# Allegro board FEE5_10_30.brd (continued)
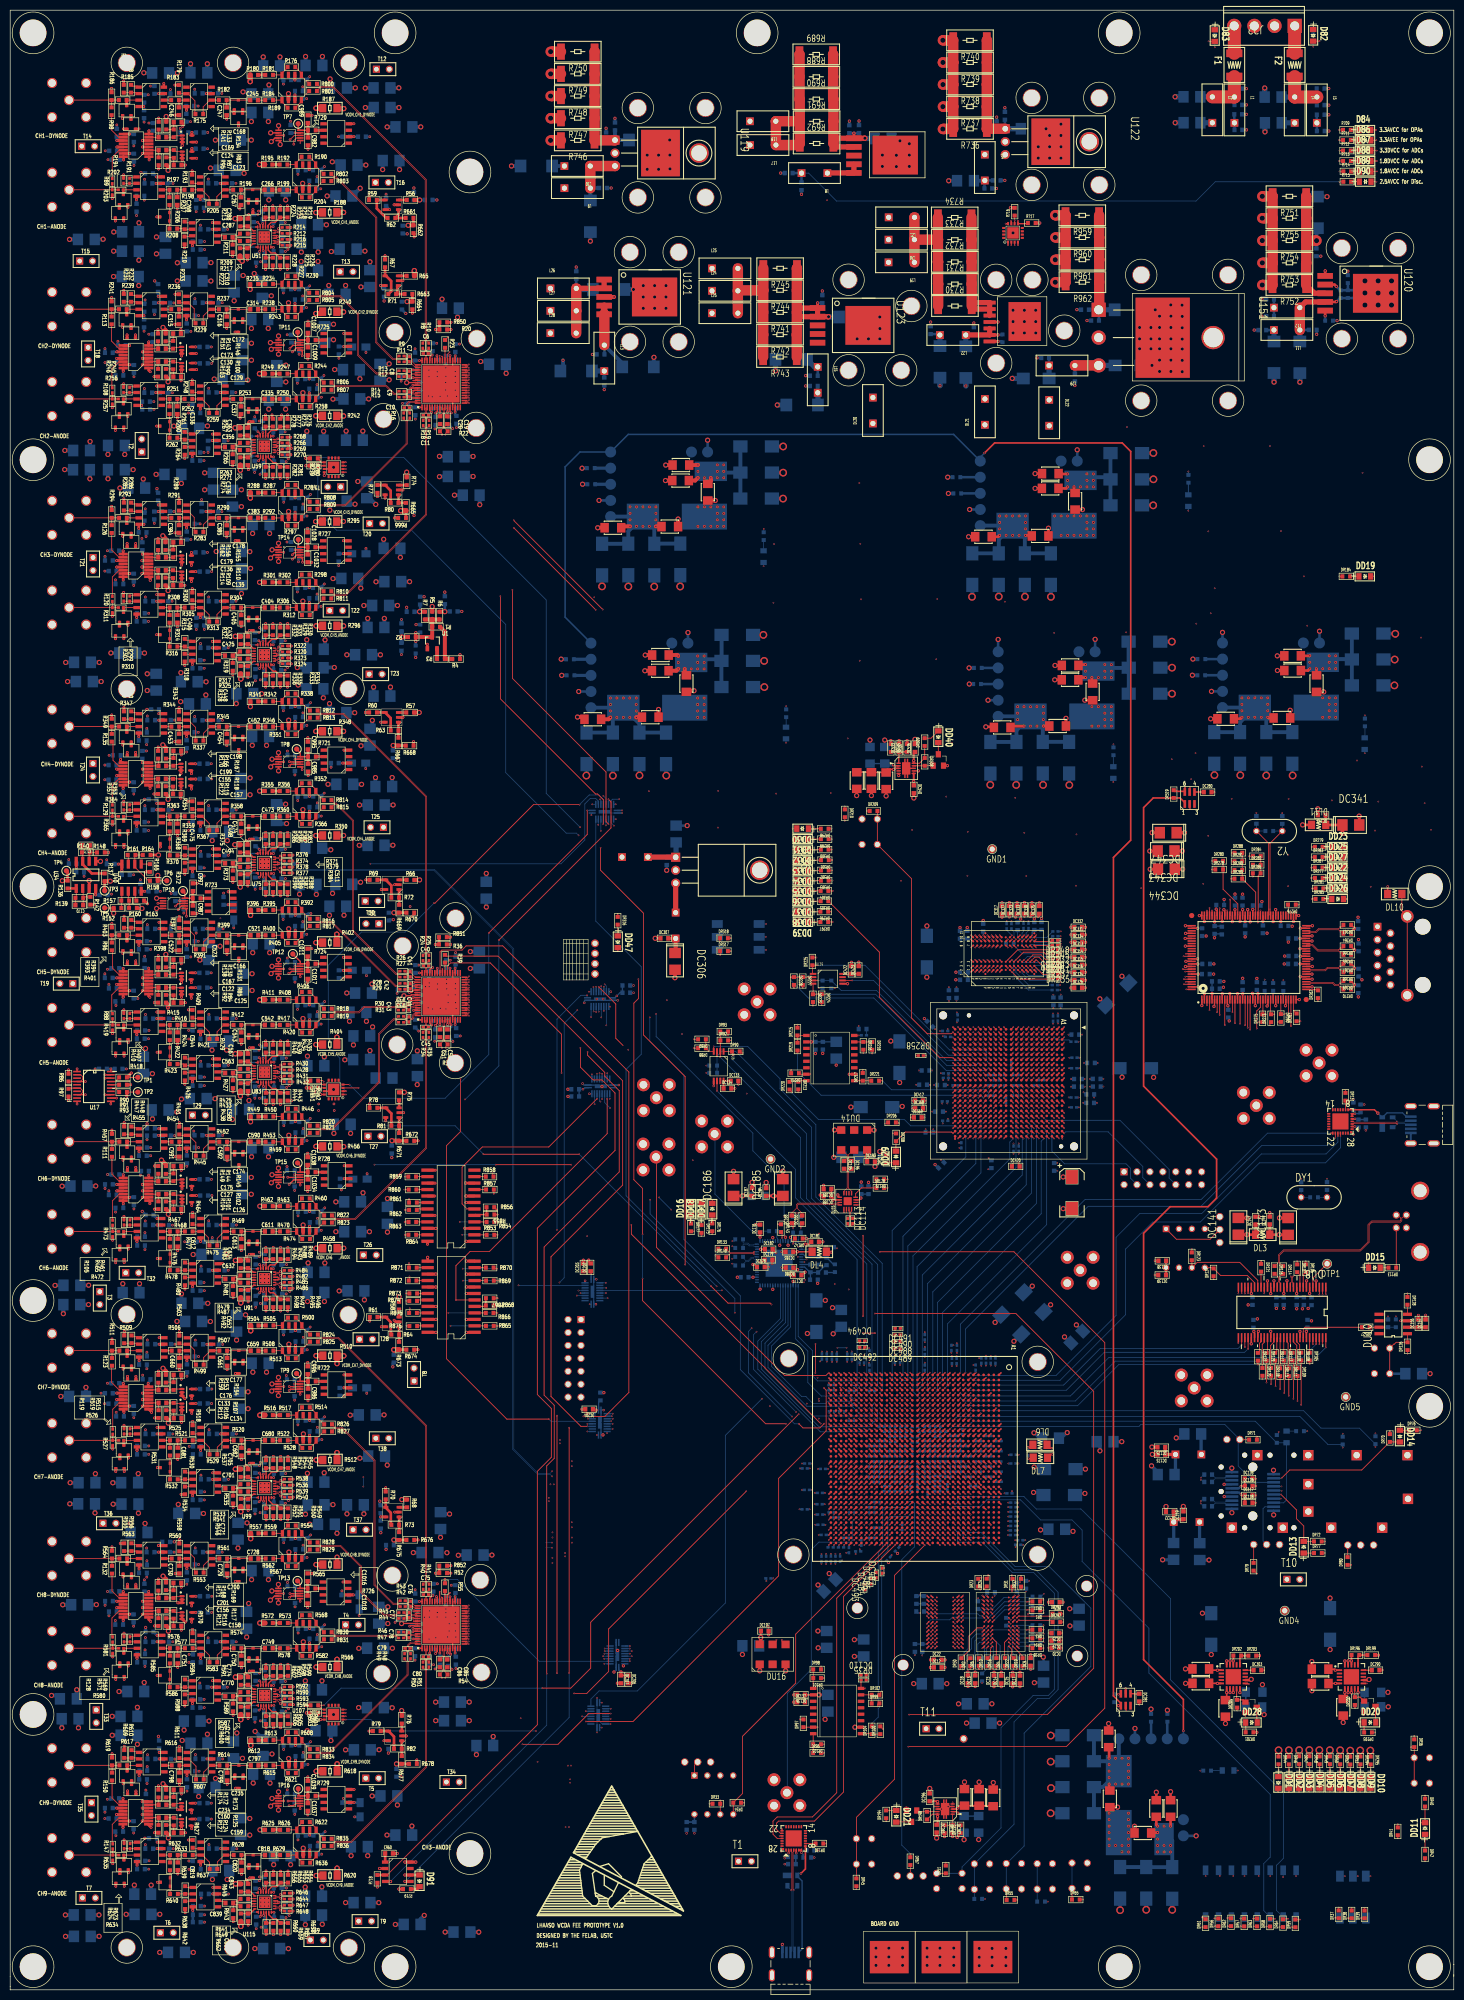
[diagram p0: board, top side]
## Routing (per net, layer and track width the routed paths; a pad name or vN(x,y) marks a point on that pad's centre or on a via; arc(x,y) is an arc through that point) (continued)
  TOP w0.508: R349.2 v3(19.95,250.35) ; R231.1 v3(22.32,333.73) ; R332.1 v3(50.18,268.28) ; v3(33.56,315.94) 33.56,316.06 33.56,316.06 C129.2 ; R241.2 v3(19.92,332.3) ; DC272.2 193.13,248 v5(191.66,248) ; D44.1 v3(20.71,183.33) ; D26.2 22.34,265.46 v3(22.34,265.29) ; C246.2 33.14,368.13 v3(32.32,368.13) ; v3(79.36,344.2) 79.36,344.82 R662.2 ; U150.4 193.95,327.5 193.95,327.5 v8(194.03,327.5) ; R593.1 55.59,57.15 55.59,57.15 v3(55.61,57.15) ; v8(25.9,280.64) 26.01,280.64 26.02,280.65 U28.6 ; R383.1 v3(54.51,227.3) ; v3(23.04,79.66) 23.04,79.46 23.04,79.45 D66.1 ; C1028.1 v3(58.42,287.01) ; C1034.1 v3(58.45,156.77) ; C126.2 33.62,152.62 33.62,152.62 v3(33.62,152.46) ; C159.2 v3(34.44,30.84) ; v3(29.15,357.54) 29.15,358.29 R95.1 ; v3(79.88,45.15) 79.88,44.87 79.88,44.87 R678.2 ; DC187.2 v5(145.74,158.55) ; R194.1 v3(22.27,356.4) ; R419.2 v3(20.1,187.76) ; R489.1 v3(54.55,145.78) ; v5(223.94,220.04) 223.95,220.05 DC344.2 ; R70.1 73.77,98.35 73.77,98.35 v3(73.77,98.61) ; v3(58.46,197.74) 58.46,197.81 58.45,197.81 C1017.2 ; R378.2 v3(55.54,219.3) ; R647.1 55.54,16.62 55.54,16.63 v3(55.57,16.63) ; C1018.2 58.42,75.17 58.44,75.15 v3(58.44,75.09) ; D3.2 v3(25.3,365.41) ; v3(24.65,284.01) 24.65,283.39 D21.2 ; D75.1 23.05,39.06 v3(23.06,39.06) ; v3(16.54,213.08) 16.48,213.08 16.48,213.08 R142.1 ; C843.1 46.57,20.98 46.57,21.47 v3(46.38,21.67) ; DU35.12 243.64,60.82 v5(243.8,60.97) ; R186.2 19.91,373.35 19.91,373.35 v3(19.91,373.37) ; R480.2 v3(34.33,137.59) ; R386.1 50.19,226.54 50.19,227.14 v3(50.19,227.3) ; U26.2 26.19,114.63 26.18,114.63 v3(25.96,114.63) ; v8(89.57,155.87) 89.7,155.87 89.7,155.87 U148.8 ; v3(58.51,361.41) 58.51,362.19 C982.1 ; U22.2 v3(25.95,319.09) ; C267.2 45.12,350.26 45.12,349.84 v3(45.12,349.69) ; R503.1 v3(33.24,129.22) ; v3(79.01,329.22) 79.01,329.36 79.01,329.36 R664.2 ; DC261.2 v5(188.27,285.33) ; v3(34.32,116.09) 34.31,116.09 33.73,116.67 ; R654.1 v3(54.57,23.33) ; v3(33.66,111.43) 33.66,111.53 33.65,111.53 C134.2 ; R257.2 v3(20.05,310.65) ; R318.2 34.28,260.14 34.28,260.13 v3(34.28,260.06) ; R388.1 v3(54.48,214.81) ; R215.1 v3(55.14,343.74) ; C454.2 v3(42.56,244.3) ; v5(242.95,151.57) 242.94,151.57 DC141.2 ; v3(42.54,326.26) 42.54,326.38 C316.2 ; R193.1 v3(35.75,357.18) ; D16.1 v3(20.66,306.2) ; C652.1 v3(46.73,135.08) ; C453.2 v3(32.33,245.11) ; C681.2 32.91,104.27 32.91,104.27 v3(32.91,104.14) ; R148.1 19.17,223.33 19.18,223.33 v3(19.34,223.33) ; R609.1 v3(22.41,47.83) ; v3(80.13,88.34) 80.04,88.34 80.04,88.34 R676.2 ; C157.2 33.51,234.04 33.52,234.04 v3(33.52,234.01) ; v3(32.91,63.32) 32.91,63.41 32.91,63.41 C751.2 ; D80.1 v3(20.76,20.33) ; v3(22.28,274.39) 22.28,273.71 R303.1 ; R571.1 v3(22.36,70.05) ; v3(32.36,374.02) 32.48,374.02 32.48,374.03 R179.1 ; C799.2 v3(42.63,40.33) ; R339.1 v3(22.35,251.8) ; v3(50.23,173.85) 50.23,173.91 50.23,173.91 R444.1 ; v3(55.22,261.52) 55.03,261.52 54.53,261.52 R323.1 ; DC537.2 172.08,234.43 v5(172.07,234.43) ; D53.3 v3(47.01,144.44) ; R177.1 22.31,374.83 v3(22.31,374.83) ; v3(54.52,186.33) 54.52,186.23 54.53,186.23 R435.1 ; C1009.2 58.48,320.43 58.48,320.42 v3(58.48,320.22) ; v3(50.16,309.25) 50.16,309.09 50.16,309.08 R278.1 ; U6.2 77.11,249.87 77.12,249.87 v3(77.16,249.87) ; R670.2 79.37,211.19 v3(78.9,210.72) ; R171.1 v3(29.1,80.68) ; R248.1 v3(35.76,316.12) ; C798.2 33.25,40.51 33.26,40.51 v3(33.26,40.35) ; v3(54.56,104.76) 54.56,104.6 54.56,104.59 R545.1 ; DC540.2 177.52,234.04 v5(177.52,234.03) ; U145.4 66.45,284.54 v3(65.44,284.54) ; v3(25.95,197.43) 26.04,197.43 26.05,197.43 U14.4 ; v3(42.62,121.76) 42.62,121.89 42.62,121.89 C661.2 ; R319.1 v3(43.73,258.27) ; DC210.2 248.95,259.06 v5(248.93,259.07) ; DC307.1 126.71,206.47 v5(126.71,206.48) ; v3(46.45,144.01) 46.45,143.49 46.71,143.23 C634.1 ; U42.2 U42.3 33.01,75.98 33,75.99 v3(32.92,75.99) ; v3(33.75,154.13) U19.3 U19.2 ; v3(28.31,161.77) 28.48,161.77 28.48,161.76 R149.1 ; R570.1 v3(35.83,70.8) ; R564.2 v3(20,86.98) ; U149.17 83.58,138 83.58,138 v8(83.64,138) ; DC302.2 230.88,63 v5(230.88,63.01) ; R852.2 v3(86.58,83.27) ; R494.1 v3(50.23,145.78) ; DC259.2 v5(201.33,297.73) ; v3(69.75,250.83) 69.82,250.83 69.83,250.83 R60.1 ; U148.20 83.45,152.06 v1(83.46,152.06) ; R465.1 v3(22.35,151.89) ; D73.1 22.2,40.58 22.2,40.58 v3(22.2,40.44) ; C405.2 45.36,268.43 v3(45.36,267.65) ; U39.2 33.73,117.32 33.73,116.67 ; D50.2 v3(23.18,145.44) ; v3(59.25,81.78) 59.16,81.78 59.16,81.78 C1016.1 ; U13.2 77.77,49.86 77.77,49.85 v3(77.81,49.85) ; v3(55.56,138.94) 55.46,138.94 55.46,138.93 R485.1 ; v3(46.68,216.75) 46.68,216.93 46.68,216.94 C511.1 ; U41.2 U41.3 33.55,238.84 v3(33.55,238.84) ; D39.2 v3(24.66,202.05) ; R330.1 54.5,268.04 54.5,268.05 v3(54.5,268.29) ; v3(22.13,285.4) 22.13,285.5 22.12,285.51 D19.1 ; v3(25.95,75.03) 26.09,75.03 26.1,75.04 U31.4 ; v3(59.3,368.09) 59.12,368.09 59.12,368.1 C989.2 ; R311.2 20.08,270.41 v3(20.08,269.71) ; R216.2 v3(55.14,342.57) ; v3(72.15,293.19) 72.15,293.32 72.15,293.32 R77.1 ; R211.1 43.7,341.17 v3(43.7,340.41) ; v3(33.65,31.66) U29.3 U29.2 ; U36.6 v3(25.92,35.69) ; R162.1 v3(29.05,285.02) ; R558.1 v3(33.23,88.4) ; v3(54.47,350.32) 54.47,350.14 R219.1 ; U20.2 U20.3 v3(33.68,317.69) ; C135.2 v3(34.32,275.8) ; DC289.2 v5(255.69,64.46) ; v3(25.96,158.15) 26.06,158.15 26.07,158.15 U23.6 ; R581.2 v3(20.13,65.36) ; U149.1 89.74,129.11 89.74,129.12 v8(89.61,129.12) ; v3(55.22,302.69) 54.56,302.69 R269.1 ; v3(44.87,365.96) 44.87,366.58 D4.3 ; v3(22.97,284.01) 22.97,284 22.97,283.38 D21.1 ; C363.1 46.8,306.91 46.8,307.74 v3(46.97,307.91) 47.17,307.91 47.17,307.91 D17.3 ; v3(67.56,39.34) 67.48,39.34 67.47,39.34 U147.4 ; R122.1 v3(28.22,234.82) ; D28.1 v3(22.13,244.42) ; v3(33.6,201.46) 33.6,201.58 33.6,201.59 C166.2 ; v5(165.94,51.56) 165.95,51.57 DU7.10 ; v8(89.57,154.6) 89.67,154.6 U148.7 ; v3(55.58,17.82) 55.46,17.82 55.46,17.83 R644.1 ; D62.2 v3(22.4,101.76) ; v3(77.16,294.52) 77.07,294.52 77.07,294.52 U11.2 ; v3(33.56,97.31) 33.61,97.31 33.62,97.3 R534.2 ; v3(33.66,197.79) 33.66,198.39 U33.3 U33.2 ; v3(32.9,145.16) 32.9,145.28 32.9,145.28 C612.2 ; v3(65.56,120.75) 65.74,120.75 65.74,120.75 U135.4 ; v8(83.64,134.19) 83.54,134.19 83.54,134.19 U149.20 ; v3(75.4,350.51) 75.51,350.51 75.51,350.51 U5.2 ; R336.1 v3(50.2,255.8) ; R527.2 v3(20.14,106.18) ; v3(70.63,131.32) 70.63,131.51 70.64,131.52 R61.1 ; U26.6 26.19,117.17 26.18,117.18 v3(25.96,117.18) ; R121.1 28.49,71.45 28.49,71.45 v3(28.33,71.45) ; DC342.2 v5(256.87,231.89) ; C475.2 v3(32.86,226.68) ; DC186.2 142.1,160.72 v5(142.1,160.72) ; D58.3 44.51,121.03 44.5,121.03 v3(44.25,121.03) ; v3(22.34,224.31) 22.34,224.4 22.34,224.4 D35.2 ; v3(21.61,87.67) 21.87,87.67 21.87,87.68 R555.1 ; U139.4 66.53,325.25 v3(65.53,325.25) ; R393.1 v3(22.37,210.83) ; R590.1 v3(55.59,58.32) ; v3(22.33,192.44) 22.33,192.24 22.33,192.24 R410.1 ; v1(83.45,155.87) 83.3,155.87 83.3,155.87 U148.17 ; D64.1 22.18,81.18 22.18,81.17 v3(22.18,81.05) ; D31.3 v3(44.89,242.94) ; DC283.2 v5(181.99,29.8) ; C432.1 46.69,266.25 v3(46.35,266.59) ; C158.2 v3(33.63,70.63) ; U35.2 U35.3 v3(33.75,157.26) ; v3(50.15,350.32) 50.15,350.19 50.15,349.56 R224.1 ; DC236.2 v5(225.14,38.8) ; C523.2 v3(42.58,203.33) ; R606.1 v3(50.26,51.45) ; v5(265,230.47) 265.02,230.45 DC341.2 ; v5(166.28,234.5) 166.3,234.53 DC539.2 ; v8(25.9,278.12) 25.99,278.12 25.99,278.11 U28.2 ; D72.3 v3(28.86,61.73) ; R539.1 v3(55.59,97.91) ; v3(54.56,63.94) 54.56,63.71 54.56,63.71 R599.1 ; v3(20.66,347.33) 20.66,347.96 D8.1 ; D54.3 v3(28.88,143.6) ; U18.6 26.2,363.13 26.19,363.12 v3(25.98,363.12) ; C730.2 v3(32.41,81.75) ; v3(45.44,22.69) 45.44,22.81 45.43,22.82 C820.2 ; v3(33.79,359.15) 33.79,359.21 33.79,359.21 U15.3 U15.2 ; R265.1 v3(43.71,299.26) ; D30.1 v3(22.99,243) ; DC246.2 211.11,253.24 v5(211.1,253.23) ; R365.2 v3(20.08,228.73) ; v3(29.11,121.5) 29.11,121.33 29.11,121.33 R159.1 ; DC284.2 v5(255.71,58.72) ; R432.2 v3(55.55,178.28) ; v3(23.19,104.41) 23.19,104.54 23.19,104.54 D59.2 ; v3(46.4,184.54) 46.69,184.25 C567.1 ; R496.1 v3(54.53,133.29) ; U132.4 66.52,366.42 v3(67.53,366.42) ; v3(23.12,349.97) 23.12,350.58 D5.2 ; C498.1 46.62,225.42 v3(46.36,225.68) ; C310.1 46.59,339.82 46.59,339.82 v3(46.59,339.68) ; U22.4 26.17,320.36 26.17,320.36 v3(25.95,320.36) ; R268.2 54.45,304.88 54.92,304.88 v3(55.13,304.88) ; U16.2 U16.3 v3(33.65,194.9) ; v3(70.48,50.81) 70.61,50.81 70.61,50.81 R79.1 ; v3(47.06,21.97) 47.07,21.98 47.42,21.98 D79.3 ; R646.2 v3(55.58,18.99) ; v3(32.82,35.35) U43.3 U43.2 ; U148.24 81.97,146.42 81.98,146.41 v1(81.98,146.39) ; DC143.2 249.37,151.55 v5(249.34,151.57) 249.35,151.57 ; v3(24.68,161.51) 24.68,161.51 D48.2 ; R538.2 v3(55.58,100.28) ; v3(25.95,198.71) 26.05,198.71 26.05,198.7 U14.6 ; U1.2 v3(81.95,264.24) ; R540.2 55.5,96.74 55.51,96.74 v3(55.59,96.74) ; v3(34.37,72.21) 34.37,72.21 33.77,72.82 U25.3 U25.2 ; R648.2 v3(55.56,15.46) ; R374.1 55.47,221.66 55.47,221.65 v3(55.53,221.65) ; D66.2 24.69,79.45 24.69,79.45 v3(24.69,79.66) ; R635.2 v3(20.15,24.75) ; R97.1 11.46,174.74 11.46,174.74 v3(11.46,174.65) ; D3.1 v3(22.25,365.41) ; D61.3 v3(47.03,103.41) ; R233.1 32.5,332.96 32.5,332.96 v3(32.37,332.96) ; D23.2 23.12,268.05 v3(23.12,267.93) ; U24.2 U24.3 33.69,277.16 v3(33.69,276.58) ; R165.1 26.84,219.52 26.84,219.52 v3(26.64,219.52) ; C997.2 v3(36.75,217.28) ; C960.2 75.86,26.78 75.86,26.77 v8(76.02,26.77) ; C384.2 v3(32.36,286.1) ; R138.1 v3(29.08,203.07) ; D41.2 v3(23.16,185.98) ; U36.2 26.08,33.15 26.08,33.15 v3(25.92,33.15) ; R280.1 v3(54.46,296.76) ; C125.2 34.32,193.84 34.33,193.83 v3(34.41,193.83) ; R92.1 v3(28.3,193.85) ; D71.2 v3(22.39,60.94) ; R431.1 v3(55.54,179.45) ; C336.2 32.83,308.77 32.83,308.76 v3(32.83,308.64) ; U149.7 89.73,136.73 v8(89.61,136.73) ; v3(22.4,129.26) 22.4,129.17 22.4,129.17 R501.1 ; D55.1 v3(22.19,121.87) ; v3(32.85,267.67) 32.85,267.82 32.85,267.82 C406.2 ; v3(80.12,125.69) 79.95,125.69 79.95,125.7 R674.2 ; R588.2 v3(34.31,55.72) ; R430.2 v3(55.55,181.8) ; C247.2 42.53,368.11 42.53,367.62 v3(42.53,367.32) ; v8(89.61,138.01) 89.69,138.01 89.7,138 U149.8 ; D77.2 v3(23.2,22.97) ; v3(42.62,80.94) 42.62,81.05 42.61,81.05 C729.2 ; v5(224.31,227.22) 224.32,227.21 DC347.2 ; v5(230.9,60.18) 230.9,60.18 DC298.2 ; R672.2 v3(80.13,166.71) ; v3(50.25,104.75) 50.25,104.58 50.25,104.58 R548.1 ; C819.2 v3(32.93,22.75) ; C200.2 33.6,79.23 33.6,79.23 v3(33.6,79.06) ; v3(47.68,349.61) 47.68,349.01 D7.3 ; D22.3 44.42,284.55 44.42,284.56 v3(44.18,284.56) ; v3(24.61,324.98) 24.61,324.82 D12.2 ; U148.13 83.5,160.95 v1(83.5,160.96) ; DC256.2 v5(210.63,290.67) ; v3(36.71,211.39) 36.54,211.39 36.54,211.38 C987.1 ; D80.2 v3(22.41,20.33) ; v3(55.55,180.62) 55.5,180.62 55.49,180.62 R428.1 ; C613.2 v3(45.41,145.15) ; DC213.2 v5(258.03,254.86) ; C721.1 v3(46.74,94.11) ; v3(25.92,34.42) 26.14,34.42 26.15,34.42 U36.4 ; R589.1 v3(43.79,53.92) ; v3(32.33,327.06) 32.39,327.06 32.39,327.07 C315.2 ; v3(25.98,360.59) 26.2,360.59 26.2,360.59 U18.2 ; D30.2 v3(24.64,243.01) ; v3(22.36,110.87) 22.36,110.62 22.36,110.62 R519.1 ; DC242.2 v5(217.53,35.87) ; U28.4 26.01,279.38 26,279.39 v8(25.9,279.39) ; R285.1 v3(22.34,292.79) ; R174.1 v3(29.12,40.06) ; v3(55.59,59.49) 55.47,59.49 55.47,59.48 R592.2 ; R228.1 50.17,337.85 50.17,337.85 v3(50.17,337.84) ; v3(70.5,352.24) 70.5,351.94 70.5,351.46 R59.1 ; D75.2 24.71,38.92 24.7,38.92 v3(24.7,39.05) ; C856.1 v3(46.75,12.7) ; C177.2 v3(33.63,119.92) ; D26.1 20.68,265.29 v3(20.68,265.29) ; v3(29.06,244.04) 29.06,243.93 29.06,243.92 R170.1 ; D18.3 v3(28.76,307.06) ; C1038.2 v3(58.44,164.29) ; R442.1 54.54,174.57 v3(55.29,174.57) ; v3(55.21,262.72) 55.19,262.7 54.99,262.7 R320.1 ; D63.3 v3(28.9,102.54) ; v3(50.27,92.27) 50.27,92.37 50.26,92.38 R552.1 ; DC295.2 193.11,40.68 v5(193.12,40.69) ; R300.1 35.77,275.07 35.78,275.07 v3(35.78,275.14) ; R594.2 55.57,55.99 55.57,55.99 v3(55.62,55.99) ; R212.1 v3(55.14,344.91) ; v5(223.87,223.61) DC343.2 ; 33.73,116.67 U39.3 ; U32.2 U32.3 33.79,362.82 v8(33.79,362.17) ; v3(58.46,123.22) 58.46,123.08 58.46,123.07 C996.2 ; v3(20.05,351.75) 20.04,351.75 R203.2 ; D48.1 23.03,161.31 23.03,161.32 v3(23.03,161.51) ; C174.2 v3(33.6,160.92) ; U21.2 U21.3 v3(33.7,113.23) ; U23.2 v3(25.96,155.61) ; D81.3 v3(28.92,21.13) ; v5(207.4,249.67) 207.39,249.66 DC273.2 ; C235.2 v3(33.64,38.45) ; R266.1 54.67,303.74 55.09,303.32 v3(55.1,303.32) ; D14.2 v3(23.11,308.91) ; R67.1 73.64,340.42 73.64,340.42 v3(73.64,340.54) ; C1007.1 58.51,326.9 58.51,327.59 v3(58.51,327.68) ; R276.1 v3(54.48,309.26) ; D45.3 v3(28.86,184.11) ; U30.2 v3(25.94,237.16) ; v3(75.41,131.49) 75.73,131.17 76.38,131.17 U7.2 ; R103.1 28.42,316.77 v3(28.25,316.77) ; R482.1 54.86,140.1 55.42,140.1 v3(55.56,140.1) ; R343.1 v3(33.18,251.77) ; v3(28.35,30.84) 28.48,30.84 28.48,30.84 R127.1 ; v3(19.99,168.83) 19.99,168.67 19.98,168.07 R457.2 ; U149.13 82.02,143.77 82.01,143.77 v8(82.01,143.83) ; C592.2 v3(42.6,162.78) ; D9.3 29.43,348.14 28.9,348.14 28.9,348.14 v3(28.8,348.14) ; R163.1 26.47,213.71 26.53,213.71 v3(27,213.24) ; D13.3 v3(44.16,325.52) ; v3(55.56,137.77) 55.39,137.77 R486.2 ; R426.2 34.31,177.95 34.32,177.94 v3(34.32,177.81) ; R447.1 22.39,170.08 22.38,170.08 v3(22.38,170.28) ; D40.3 44.91,202.07 44.91,202.06 v3(44.91,201.97) ; C787.1 v3(46.73,53.28) ; v3(75.51,217.01) 75.77,217.01 75.77,217.01 U9.2 ; R643.1 v3(43.82,13.4) ; R535.1 v3(43.8,94.74) ; R376.2 v3(55.55,222.82) ; R91.2 v3(23.68,177.72) ; U12.2 v3(77.28,172.24) ; C705.1 46.71,102.58 v3(46.3,102.98) ; D46.1 v3(22.17,162.9) ; v3(46.79,298.49) 46.79,299.27 C376.1 ; D27.3 v3(28.76,266.09) ; v3(42.81,215.6) 42.87,215.6 42.87,215.61 U134.4 ; R86.2 v3(11.46,180.65) ; R850.2 v3(86.61,327.44) ; v3(46.19,62.16) 46.72,61.63 C774.1 ; v8(83.64,129.11) 83.57,129.11 U149.24 ; v3(22.96,324.98) 22.96,324.87 22.96,324.87 D12.1 ; C985.1 v3(58.52,238.42) ; R294.2 19.95,290.58 19.95,291.09 v3(19.95,291.33) ; R484.2 v3(55.56,141.27) ; v3(54.54,92.26) 54.54,92.41 54.54,92.41 R550.1 ; C995.2 58.48,245.72 58.48,245.72 v3(58.48,245.89) ; R473.2 v3(20.12,147.21) ; R602.1 v3(50.24,63.93) ; U120.1 258.31,337.47 258.32,337.47 v8(258.32,337.55) ; R660.1 v3(50.27,10.84) ; C448.1 v3(46.69,257.64) ; D70.3 v3(46.99,62.59) ; U31.6 26.18,76.31 26.17,76.31 v3(25.95,76.31) ; R373.1 43.75,217.48 v3(43.74,217.47) ; R536.1 55.52,99.1 55.52,99.11 v3(55.58,99.11) ; R642.2 v3(34.37,15.12) ; R397.1 33.2,210.56 33.2,210.56 v3(33.2,210.79) ; R390.1 50.21,214.91 50.2,214.91 v3(50.2,214.82) ; v3(35.02,192.43) 35.19,192.43 35.19,192.43 R409.1 ; v3(25.95,73.76) 26.17,73.76 26.18,73.77 U31.2 ; DC243.2 215.78,52.27 v5(215.78,52.28) ; C385.2 v3(42.55,285.29) ; U140.4 v3(65.45,202.74) ; R656.1 v3(50.26,23.34) ; D52.2 22.38,142.88 22.39,142.88 v3(22.39,142.79) ; R627.1 v3(35.04,29.42) ; DC237.2 v5(227.95,38.91) ; R668.2 79.24,244.94 79.24,244.95 v3(79.24,245.1) ; D76.3 44.39,39.59 44.39,39.6 v3(44.26,39.6) ; D25.3 47.67,266.92 v3(46.99,266.92) ; D44.2 v3(22.36,183.33) ; v3(34.29,300.67) 34.29,300.81 34.29,300.82 R264.2 ; R464.1 v3(35.83,152.65) ; DC218.2 v5(251.44,251.26) ; D49.3 v3(44.93,161.42) ; R114.1 28.93,275.67 v2(28.93,275.06) ; C1011.1 v3(59.26,204.44) ; C337.2 45.17,309.23 45.17,308.79 v3(45.17,308.62) ; U27.2 U27.3 v3(33.56,235.84) ; DC297.2 v5(238.73,52.29) ; v5(203.96,287) 203.95,287 DC267.2 ; C986.1 v3(58.5,115.65) ; D36.3 29.49,224.44 29.49,224.44 v3(29.49,224.39) ; R498.1 v3(50.25,133.3) ; U14.2 v3(25.95,196.16) ; C543.2 45.39,185.7 v3(45.39,185.69) ; C172.2 v3(33.54,326.05) ; R666.2 v3(75.45,289.03) ; D34.3 v3(47.01,225.96) ; R357.1 v3(22.31,233.41) ; C1032.2 59.1,280.32 59.11,280.32 v3(59.25,280.32) ; R604.1 v3(55.32,52.2) ; R69.1 v3(69.85,217.96) ; v3(34.31,219.04) 34.31,219.8 R372.2 ; U37.2 U37.3 v3(33.68,320.82) ; R322.2 v3(55.22,263.88) ; D57.2 v3(24.7,120.48) ; R451.1 v3(33.22,170.26) ; C522.2 v3(32.38,204.14) ; D43.3 v3(47.02,184.99) ; D39.1 v3(23.01,202.05) ; C123.2 v3(34.45,358.32) ; v3(50.21,186.33) 50.21,186.21 50.21,186.21 R440.1 ; U141.4 v3(65.38,80.08) ; C268.2 v3(32.82,349.79) ; D62.1 20.75,101.95 20.75,101.94 v3(20.75,101.76) ; v3(54.44,337.83) 54.44,337.98 54.44,338.58 R226.1 ; R4.1 88.36,262.03 88.36,262.03 v8(88.36,262.16) ; DC294.2 190.34,40.79 v5(190.34,40.79) ; D32.2 v3(23.14,226.95) ; R270.2 55.11,301.4 55.13,301.42 v3(55.14,301.42) ; C591.2 v3(32.46,163.59) ; D67.3 44.41,80.21 44.41,80.2 v3(44.24,80.2) ; v3(46.7,175.7) 46.7,175.84 46.7,175.84 C580.1 ; U146.4 v3(65.6,161.81) ; v3(33.17,292.75) 33.17,292.64 33.17,292.64 R289.1 ; DC538.2 v5(169.18,234.5) ; DC184.2 v5(148.5,158.53) ; D35.1 v3(20.69,224.31) ; v5(261.85,52.5) 261.87,52.52 DC285.2 ; D71.1 v3(20.74,60.94) ; U148.1 89.73,146.98 89.73,146.99 v8(89.57,146.99) ; DC296.2 180.62,39.53 v5(180.64,39.54) ; U22.6 26.17,321.63 26.17,321.63 v3(25.95,321.63) ; R104.1 28.43,153.3 28.43,153.3 v3(28.32,153.3) ; R354.1 v3(34.91,233.4) ; DC235.2 v5(220.86,32.12) ; R151.1 v3(29.03,326) ; DC260.2 v5(201.34,294.83) ; D8.2 22.31,347.96 v3(22.31,347.33) ; R78.1 v3(70.6,173.97) ; v5(205.19,257.24) 205.19,257.24 DC245.2 ; D37.1 v3(22.15,203.45) ; R403.2 v3(19.97,209.38) ; U26.4 26.02,115.9 26.02,115.9 v3(25.96,115.9) ; R334.1 54.47,256.01 54.48,256.01 v3(54.48,255.79) ; D16.2 v3(22.32,306.19) ; v5(266.94,60.93) 266.93,60.93 266.81,60.81 DU33.12 ; v3(20,127.8) 20,127.66 20.01,127.66 R511.2 ; DC219.2 v5(235.82,249.58) ; v3(65.56,243.43) 65.67,243.43 65.67,243.43 U133.4 ; C474.2 v3(45.37,226.66) ; U149.12 91.22,143.1 v8(89.61,143.1) ; U18.4 v3(25.98,361.86) ; v8(72.59,23.83) 72.61,23.83 72.62,23.82 72.64,23.82 72.65,23.82 U126.2 ; R518.1 35.84,111.47 35.84,111.48 v3(35.84,111.62) ; R851.2 86.4,206.71 86.41,206.71 v3(86.53,206.71) ; C1037.1 v3(58.47,34.35) ; v5(177.73,245.54) 177.74,245.54 DC536.2 ; R624.1 v3(22.37,29.43) ; DC209.2 v5(248.91,261.94) ; C198.2 v3(33.59,242.49) ; R611.1 v3(33.25,47.79) ; U8.2 v3(77.15,335.61) ; U10.2 v3(75.53,93.81) ; C544.2 v3(32.88,185.71) ; v3(33.7,279.77) U38.3 U38.2 ; v3(20.02,46.37) 20.02,46.15 20.02,46.15 R619.2 ; DC293.2 187.47,40.8 v5(187.47,40.81) ; R481.1 v3(43.79,135.89) ; C682.2 v3(45.42,104.12) ; R324.2 v3(55.22,260.38) ; R282.1 v3(50.18,296.77) ; DC185.2 v5(151.78,160.74) ; R377.1 v3(55.54,220.47) ; U30.6 v3(25.94,239.7) ; D10.1 v3(22.1,326.45) ; C660.2 v3(33.24,121.78) ; D57.1 23.04,120.28 23.05,120.28 v3(23.05,120.48) ; C750.2 v3(45.42,63.22) ; R112.1 29.14,112.3 v3(28.35,112.3) ; C1039.2 v3(58.46,41.82) ; U23.4 v3(25.96,156.88) ; R246.1 v3(22.28,315.36) ; D52.1 v3(20.73,142.76) ; DC244.2 v5(205.25,260.06) ; D68.2 v3(23.18,63.59) ; U30.4 v3(25.94,238.43) ; D1.1 v3(22.09,367.43) ; R210.2 v3(34.25,342.06) ; R658.1 v3(54.55,10.83) ; R427.1 v3(43.76,176.31) ; C178.2 v2(33.56,285.15) ; R214.2 v3(55.14,346.08)
  TOP w0.635: v5(224.27,106.57) 224.29,106.56 DC125.2 ; v5(152.33,62.65) 152.32,62.66 DU16.3 ; DC306.2 130.61,198.77 v5(130.57,198.73) ; v5(224.36,105.14) 224.37,105.12 DC123.2 ; DC193.2 169.87,161.69 v5(169.88,161.68) ; DC119.2 230.47,94.9 v5(230.45,94.92) ; v5(206.86,153.39) 206.88,153.41 DC529.2 ; v5(227.05,94.9) 227.04,94.89 DC122.2 ; DU14.3 161.95,168.83 v5(161.93,168.85)
  TOP w0.762: v5(115.41,287.09) 115.42,287.1 DC227.2 ; DTC221.2 v5(128.78,299.41) ; DC271.2 v5(124.67,259.02) ; DC228.2 131.2,288.8 v5(131.21,288.8) ; DC270.2 133.06,255.09 v5(134.33,255.09) ; DC254.2 112.38,249.92 v5(111.44,249.92) ; v8(118.63,332.41) 118.45,332.41 118.45,332.41 U121.3 ; DC269.2 124.76,262.11 v5(124.75,262.09) ; DC224.2 v5(128.72,296.36) ; DC255.2 v5(127.37,251.41) ; DC225.2 v5(138.51,292.45)
  BOTTOM w0.152: DR231.1 v1(196.69,209.84) ; DC339.1 v1(244.81,231.1) ; DU45.21 117.03,231.08 DU45.1 ; v1(187.11,62.91) 187.12,62.92 DR29.1 ; v1(255.98,381.55) 255.97,381.57 R707.1 ; v1(136.76,181.49) 136.76,181.49 DR94.2 ; DC340.1 v1(249.88,231.07) ; DC145.1 253.6,159.25 253.6,159.25 v1(253.6,159.26) ; DR229.2 v1(158.81,196.66) ; DR28.1 202.45,77.19 v1(203.04,77.77) ; 179.95,77.32 v1(180.06,77.43) ; DR257.1 v1(206.27,197.3) ; DC308.2 166.69,189.27 v1(166.68,189.27) ; DR274.1 v1(246.43,198.38) ; DD43.2 v1(152.41,244.9) ; v1(115.28,50.54) DU46.1 115.28,53.7 DU46.21 ; DD41.2 v1(266.08,242.81) ; DD44.2 v1(216.7,237.15) ; v1(203.84,17.33) 203.83,17.32 DR54.2 ; DR205.1 209.87,186.17 v1(209.87,186.18) ; DR129.2 v1(272.2,132.24) ; DC151.2 v1(270.66,132.22) ; DR272.1 v1(248.1,198.29) ; v1(117.93,52.19) DU46.19 116.31,52.19 115.74,52.76 115.74,53.73 DU46.21 ; DC140.1 v1(258.67,159.28) ; DR254.1 v1(195.74,209.86) ; DU46.21 115.28,54.19 DU46.10 v1(115.28,57.31) ; 190.93,60.85 DR26.1 190.93,60.26 v1(190.92,60.25) ; DD42.2 v1(148,279.53) ; DR60.2 v1(191.52,17.85) ; DD45.2 v1(241.15,43.06)
  BOTTOM w0.203: DU21.1 114.63,137.33 DU21.21 114.63,136.83 DU21.10 ; DD46.2 v1(231.43,290.45)
  BOTTOM w0.254: DC505.2 168.71,125.63 v1(168.71,126.01) ; DC437.2 179.65,100.61 v1(179.65,100.32) ; DC465.2 172.79,107.48 v1(172.79,107.19) ; v1(168.79,107.19) 168.79,106.88 DC433.2 ; v1(180.65,99.32) 180.65,99.6 DC481.2 ; DC348.2 v6(242.6,206.76) ; DC43.2 184.65,101.67 v1(184.65,101.32) ; DC85.2 158.81,89.33 v1(158.81,89.33) ; DC44.2 184.65,107.85 v1(184.65,108.19) ; DC415.1 183.09,174.04 v1(183.09,174.04) ; v1(178.65,101.32) 178.26,101.32 DC427.2 ; DC329.2 v6(201.18,210.3) ; DC464.2 171.79,107.86 v1(171.79,108.19) ; DC454.2 185.65,104.96 v1(185.65,105.19) ; v1(166.85,124.61) 166.86,124.6 DC497.2 ; DC374.1 198.06,177.58 v1(198.06,177.18) ; DC448.2 183.65,109.41 v1(183.65,109.19) ; v1(198,90.21) 197.99,90.2 DC105.2 ; DC174.2 158.64,138.76 v6(158.62,138.73) ; DC92.2 192.65,100.69 v1(192.65,100.32) ; v6(118.61,62.4) 118.68,62.4 119.04,62.76 DU24.1 119.04,65.51 DU24.21 119.04,66.01 DU24.10 119.04,68.68 ; DC440.2 183.65,100.57 v1(183.65,100.32) ; DC365.1 v6(250.28,201.44) ; DC406.1 181.12,172.45 v1(181.11,172.46) ; v1(186.65,103.32) 186.65,103.68 DC42.2 ; v6(198.49,210.26) 198.49,210.2 DC312.2 ; v1(199.42,88.29) 199.42,88.28 DC527.2 ; DC362.1 v6(242.09,215.15) ; DC432.2 186.65,105.86 v1(186.65,106.19) ; DC45.2 176.8,105.17 v1(176.79,105.19) ; v1(148.55,80.25) 148.55,80.29 148.56,80.3 148.56,80.66 DC516.2 ; v1(168.72,123.15) 168.72,122.76 DC503.2 ; v1(185.65,109.19) 185.65,108.93 DC47.2 ; DC441.2 182.65,100.97 v1(182.65,101.32) ; DU45.19 118.9,232.78 118.9,232.78 v1(118.96,232.78) ; v1(174.79,100.32) 175.04,100.58 DC72.2 ; v2(113.77,175.95) 113.78,175.95 113.78,175.95 DU17.19 ; DC385.1 202.06,177.56 v1(202.06,177.18) ; DC457.2 175.79,105.89 v1(175.79,106.19) ; v1(186.65,109.19) 186.89,109.19 DC36.2 ; v6(264.83,194.97) 264.83,195.71 DC338.1 ; DC444.2 181.65,102.73 v1(181.65,102.32) ; v6(236.57,206.59) 236.6,206.61 DC346.2 237.91,207.35 DC361.1 ; DC309.2 162.27,181.58 v6(162.27,181.57) ; DC48.2 179.67,123.15 v1(179.67,123.16) ; DC460.2 171.79,101.68 v1(171.79,101.32) ; DC74.2 169.79,101.61 v1(169.79,101.32) ; DU21.19 112.93,139.22 v2(112.93,139.22) ; DC367.1 v1(211.06,177.35) ; DC63.2 186.65,102.72 v1(186.65,102.32) ; DC357.1 v6(234.94,206.93) ; DC46.2 168.55,100.56 v1(168.79,100.32) ; v1(180.65,110.19) 180.65,110.57 DC449.2 ; DC71.2 172.79,100.65 v1(172.79,100.32) ; DC66.2 160.41,125.33 v1(160.42,125.34) ; DC463.2 168.79,102.68 v1(168.79,102.32) ; DC439.2 186.65,101.62 v1(186.65,101.32) ; v1(180.65,106.19) 180.65,105.84 DC430.2 ; v1(198.03,92.94) 198.02,92.94 DC109.2 ; v1(169.79,106.19) 169.81,106.17 DC39.2 ; v6(168.61,158.55) 168.61,158.54 DC191.2 ; DC429.2 178.65,105.86 v1(178.65,106.19) ; v1(175.79,103.32) 175.79,103.68 DC40.2 ; DC58.2 172.79,109.53 v1(172.79,109.19) ; DC170.1 162.06,145.6 v1(162.42,145.6) ; v1(120.21,231.08) 120.13,231.08 120.13,231.08 DU45.1 ; v1(193.37,77.36) 193.37,77.97 DC8.1 ; DC482.2 182.67,99.31 v1(182.65,99.32) ; DC102.2 192.65,106.77 v1(192.65,107.19) ; DC532.1 197.05,181.03 v1(197.06,181.04) ; DC335.1 264.79,210.6 v6(264.78,210.61) ; v1(198.06,175.18) 198.06,175.48 DC377.1 ; DC390.1 v1(206.35,195.44) ; v1(194.2,179.04) 194.2,178.72 DC373.1 ; v1(180.65,108.19) 180.65,107.84 DC425.2 ; DC2.1 178.47,77.32 v1(178.79,77.64) 179.11,77.32 DC5.1 ; DC393.1 204.86,191.7 v1(204.85,191.71) ; v2(122.46,195.79) 122.46,195.79 DC541.2 ; v1(171.79,110.19) 171.79,110.46 DC55.2 ; DC75.2 190.65,101.69 v1(190.65,101.32) ; DC62.2 188.65,104.87 v1(188.65,105.19) ; v6(120.46,63.62) 120.46,63.76 120.71,64.01 DU24.19 ; v1(186.65,107.19) 186.65,106.85 DC77.2 ; DC64.2 161.43,125.3 v1(161.43,125.31) ; v1(182.65,103.32) 182.65,103.7 DC447.2 ; DC94.2 192.65,102.7 v1(192.65,102.32) ; DU45.10 114.18,230.93 v1(114.18,230.65) ; DC310.2 158.18,183.85 v6(158.17,183.85) ; DC79.2 170.79,102.62 v1(170.79,102.32) ; v1(163.45,84.31) 163.22,84.31 DC519.2 ; DC93.2 198.06,103.35 v1(198.06,103.35) ; v1(196.79,97.9) 196.81,97.89 DC526.2 ; DC417.1 v1(197.1,164.15) ; v1(183.29,178.64) 183.3,178.65 DC411.1 ; DC495.2 v1(173.78,124.67) ; DC418.1 v1(198.11,164.2) ; v1(190.14,76.88) 190.14,76.34 DC1.1 ; DC404.1 184.4,196.86 v1(184.4,196.87) ; v1(162.11,83.64) 162.12,83.64 DC518.2 ; DC407.1 179.82,169 v1(179.82,169) ; v1(194.65,106.19) 194.65,105.8 DC100.2 ; v1(185.91,124.47) 185.91,124.46 DC500.2 ; v1(182.65,110.19) 182.65,110.46 DC450.2 ; DC453.2 179.65,109.46 v1(179.65,109.19) ; v1(188.65,100.32) 188.65,100.7 DC78.2 ; 178.67,108.2 v1(178.65,108.19) 178.31,108.53 DC466.2 ; DC371.1 193.21,175.19 v1(193.2,175.18) ; v1(185.97,191.92) 185.97,191.6 DC392.1 ; DC499.2 v1(179.66,129.15) ; v1(172.79,105.19) 172.79,104.85 DC41.2 ; DC399.1 v1(213.63,182) ; DC431.2 184.65,105.87 v1(184.65,106.19) ; DC389.1 v1(204.93,195.41) ; DC99.2 192.65,104.78 v1(192.65,105.19) ; v1(180.65,101.32) 180.65,101.62 DC442.2 ; v1(191.69,124.53) 191.69,124.53 DC508.2 ; DC501.2 v1(185.3,126.56) ; DC51.2 178.39,103.32 v1(178.65,103.32) ; v1(195.2,175.18) 195.23,175.14 DC531.1 ; v1(175.79,110.19) 175.79,110.38 DC56.2 ; v1(161.22,83.65) 161.22,83.66 DC84.2 ; DC446.2 180.65,103.61 v1(180.65,103.32) ; DC352.1 v6(236.4,199.45) ; DC470.2 v1(155.53,103.35) ; DC396.1 v1(205.81,191.74) ; DC101.2 192.65,108.79 v1(192.65,109.19) ; DC7.1 198.01,80.02 v1(198.38,80.02) ; v1(194.65,101.32) 194.65,101.69 DC95.2 ; DC395.1 v1(211.09,178.85) ; v1(173.79,106.19) 173.79,105.85 DC456.2 ; DC200.2 v6(109.56,176.83) ; DC477.2 183.89,98.32 v1(183.65,98.32) ; DC370.1 181.51,177.66 v1(181.5,177.67) ; DC65.2 162.38,125.31 v1(162.37,125.32) ; v1(210.06,183.05) 210.05,183.04 DC400.1 ; DC480.2 175.79,99.05 v1(175.79,99.32) ; DC445.2 185.65,102.58 v1(185.65,102.32) ; DC358.1 246.9,207.48 v6(246.9,207.48) ; v1(174.79,107.19) 174.79,106.92 DC435.2 ; DC359.1 242.1,198.62 v6(242.11,198.62) ; DC96.2 194.65,99.83 v1(194.65,100.19) ; v1(177.97,177.73) 177.99,177.72 DC366.1 ; v1(175.79,108.19) 175.79,108.48 DC467.2 ; DC409.1 183.58,187.25 v1(183.21,187.25) ; DC542.2 122.45,197.22 v2(122.45,197.22) ; DC54.2 173.79,110.54 v1(173.79,110.19) ; DC485.2 172.17,84.28 v8(172.55,83.91) ; DC383.1 193.2,179.64 v1(193.2,180.04) ; v1(183.65,105.19) 183.65,104.78 DC455.2 ; v2(112.78,193.8) 112.78,194.09 112.98,194.3 DU44.10 115.61,194.3 DU44.21 ; DC509.2 158.07,97.58 v1(158.07,97.58) ; DC68.2 190.65,105.83 v1(190.65,106.19) ; DU44.21 v2(116.49,194.55) ; DU44.21 v2(115.25,194.55) ; DU44.21 116.11,194.3 DU44.1 v2(119.35,194.3) ; v1(198.06,180.04) 198.06,179.67 DC376.1 ; DC511.2 v1(164.42,125.31) ; v6(245.89,213.69) 245.89,213.17 DC345.2 ; DC410.1 182.83,179.95 v1(182.82,179.97) ; DC355.1 v6(244.9,198.6) ; DC386.1 193.2,177.55 v1(193.2,177.18) ; DC83.2 v1(160.29,83.61) ; DC384.1 203.06,178.64 v1(203.06,179.04) ; v6(253.86,133.73) 253.86,134.22 254.11,134.47 DC147.2 ; v1(169.79,99.32) 169.79,99.53 DC69.2 ; DU13.59 v6(152.3,147.79) ; DC472.2 174.79,97.93 v1(174.79,98.32) ; v6(186.59,208.58) 186.59,208.57 DC319.2 ; v1(190.65,108.19) 190.65,107.84 DC76.2 ; DC53.2 177.12,107.52 v1(176.79,107.19) ; v1(173.79,99.32) 173.81,99.34 DC479.2 ; v1(180.65,97.32) 180.29,97.32 DC475.2 ; DC354.1 236.44,201.44 v6(236.45,201.45) ; v1(178.75,74.01) 178.29,74.01 178.01,74.29 DC27.1 ; DC175.2 v6(142.84,139.93) ; v6(264.86,206.22) 264.88,206.21 DC336.1 ; v1(175.79,101.32) 175.79,101.32 DC73.2 ; DC4.1 v1(177.72,65.7) ; DC106.2 198,91.09 v1(198.01,91.1) ; DU20.19 113.35,113.14 v6(113.34,113.15) ; v1(198.05,93.85) 198.05,93.86 DC521.2 ; DC98.2 194.65,107.79 v1(194.65,108.19) ; v2(112.45,177.94) 112.74,177.65 DU17.1 115.65,177.65 115.9,177.4 DU17.21 116.28,177.65 DU17.10 119.56,177.65 v2(119.57,177.67) ; v1(210.04,180.95) 210.03,180.96 DC401.1 ; DC34.2 v1(192.61,124.51) ; DC86.2 v1(164.24,85.83) ; DC337.1 265.52,198.34 v6(265.53,198.34) ; DC322.2 191.14,209.97 v6(191.14,209.98) ; v1(185.65,107.19) 185.65,106.85 DC82.2 ; v1(181.65,107.19) 181.67,107.17 DC426.2 ; DC513.2 158.12,93.33 v1(158.12,93.32) ; v1(176.79,102.32) 176.79,102.72 DC81.2 ; DC350.1 239.47,190.74 v6(239.47,190.26) ; DC364.1 v6(240.6,215.16) ; v1(185.89,196.88) 185.9,196.87 DC391.1 ; v6(252.72,133.73) 252.72,133.74 DC146.2 ; v1(189.23,122.69) 189.23,122.69 DC49.2 ; v2(116.59,113.84) DU20.1 116.07,111.64 DU20.21 116.07,111.14 DU20.10 116.42,108.94 v6(116.45,108.96) ; DC434.2 170.79,106.82 v1(170.79,107.19) ; v1(197.97,89.3) 197.96,89.29 DC523.2 ; v1(194.65,103.32) 194.65,103.7 DC97.2 ; v1(214.76,178.88) 214.75,178.87 DC381.1 ; v1(174.79,105.19) 174.79,104.87 DC459.2 ; DC512.2 158.18,91.33 v1(158.17,91.33) ; DC413.1 180.11,190.18 v8(179.58,190.71) ; DU21.1 v2(115.13,139.53) ; DC3.1 v1(179.17,65.65) ; v1(176.79,109.19) 177.06,109.46 DC451.2 ; v6(254.97,133.8) 254.99,133.8 DC152.2 ; v1(176.79,100.32) 176.8,100.33 DC52.2 ; DC70.2 170.79,100.67 v1(170.79,100.32) ; v1(171.79,99.32) 171.79,98.93 DC478.2 ; DC38.2 181.65,104.96 v1(181.65,105.19) ; v6(250.35,202.99) 250.36,203 DC356.1 ; DC349.2 v6(238.46,214.1) ; v6(243.19,134.5) 243.21,134.49 DC155.2 ; DC528.2 198.99,87.38 v1(198.99,87.39) ; DC10.1 200.15,80.3 v1(200.17,80.32) ; v1(190.65,103.32) DC61.2 ; v1(165.31,125.34) 165.32,125.33 DC510.2 ; v1(192.19,163.36) 192.67,162.88 DC414.1 ; v1(182.65,108.19) 182.65,108.51 DC424.2 ; DC402.1 v1(209.88,175.22) ; v1(176.79,98.32) 176.79,98.11 DC473.2 ; v1(198.02,92.01) 198.01,92.01 DC108.2 ; DC353.1 v6(238.42,198.01) ; DC419.1 v1(186.47,165.32) ; DC363.1 251.17,208.86 v6(251.84,208.86) ; DC476.2 181.67,97.95 181.67,98.31 v1(181.65,98.32) ; v1(179.65,107.19) 179.65,106.92 DC428.2 ; DC397.1 v1(182.65,188.28) ; DC360.1 v6(251.08,205.74) ; DC461.2 186.65,107.89 v1(186.65,108.19) ; v1(205.71,160.84) 205.7,160.83 DC421.1 ; v1(185,124.46) 185,124.46 DC50.2 ; DC520.2 159.37,83.64 v1(159.37,83.64) ; v6(116.62,117.26) 115.95,117.26 DC205.2 ; DC502.2 v1(185.98,126.96) ; v6(159.61,183.88) 159.64,183.9 DC311.1 ; v6(185.78,199.82) 185.8,199.8 DC320.2 ; DC67.2 159.46,125.33 v1(159.45,125.34) ; DC387.1 v1(178.48,180.53) ; DC57.2 174.79,109.48 v1(174.79,109.19) ; DC515.2 v1(155.05,94.35) ; DC201.2 v6(109.58,175.43) ; DC507.2 190.36,124.05 v1(190.35,124.04) ; v1(174.79,102.32) 174.79,102.58 DC80.2 ; v1(172.79,98.32) 172.79,98.03 DC483.2 ; DC149.2 v6(248.73,133.81) ; DC375.1 195.2,179.81 v1(195.2,180.04) ; DC443.2 179.65,102.55 v1(179.65,102.32) ; v1(169.79,103.32) 169.79,103.64 DC436.2 ; DC398.1 v1(212.93,175.21) ; DC154.2 255.04,131.36 v6(255.63,131.36) ; v8(174.31,85.7) 173.86,86.14 DC35.2 ; DC372.1 195.2,177.45 v1(195.2,177.18) ; DC198.2 v2(148.96,71.38) ; DU44.19 v2(117.98,196) ; v1(181.65,100.32) 181.65,99.92 DC438.2 ; DC469.2 v1(155.11,102.38) ; v1(178.65,99.32) 178.42,99.32 DC474.2 ; v1(179.66,126.25) 179.66,126.24 DC506.2 ; DC524.2 v1(198.05,95.67) ; DC382.1 v1(214.77,177.37) ; v1(178.65,110.19) 178.3,110.54 DC59.2 ; v1(168.79,105.19) 168.79,104.82 DC462.2 ; DC471.2 v1(158.7,102.29) ; DC517.2 166.07,85.78 v1(166.07,85.56) ; v6(245,131.74) 244.42,131.74 DC153.2 ; DC498.2 v1(174.82,124.67) ; DC522.2 v1(198.04,94.77) ; DC33.2 v1(193.55,124.52) ; DC380.1 v1(213.48,174.17) ; v1(210.57,187.58) 210.56,187.57 DC405.1 ; DC321.2 v6(185.76,198.33) ; v1(173.79,108.19) 173.79,108.49 173.74,108.54 DC468.2 ; v1(167.76,124.61) 167.75,124.6 DC496.2 ; DC403.1 v1(209.95,173.28) ; DC351.1 237.61,196.61 237.86,196.86 v6(238.33,196.86) ; DC318.2 v6(188.01,208.6) ; DC328.2 v8(202.6,210.35) ; v1(198.1,105.06) 198.1,105.06 DC103.2 ; v1(171.79,103.32) 171.79,103.64 DC458.2 ; DC416.1 v1(183.18,170.12) ; DC514.2 v1(158.02,95.36) ; v1(181.65,109.19) 181.65,109.58 DC452.2 ; DC190.2 v6(167.18,158.61) ; DU13.19 v6(153.8,139.1) ; DC148.2 v6(250.18,133.8) ; DC525.2 v1(155.51,98.17) ; DU21.10 v2(115.07,134.63)
  BOTTOM w0.305: DC159.2 v2(157.94,25.98) ; v6(238.46,99.25) 238.47,99.25 DU5.17 ; DC158.2 152.54,25.85 v2(152.15,25.85) ; v2(134.4,30.74) 134.4,30.75 DC29.2 ; DC161.1 v2(152.16,24.68) ; DC162.1 v2(265.98,173.84) ; DC160.1 v2(158.6,27.38) ; DC28.2 v2(132.89,30.73) ; DC164.2 v2(264.85,168.71) ; DC165.2 v2(266.31,168.78) ; DC163.1 v2(263.85,174.88) ; DU5.14 v6(238.48,96.86)
  BOTTOM w0.406: DJ11.6 275.14,166.22 DJ11.5